# Altium PCB master.PcbDoc (part 2 of 5)
Units mm, origin at the board's own origin, x right, y up, seen from the top; angles counter-clockwise.
Board outline 160 x 120 mm, 4 copper layers (Top Copper, Signal Layer 1, Signal Layer 2, Bot Copper), stack 1.56 mm thick; 330 components, 331 nets, 1402 pads, 711 vias.
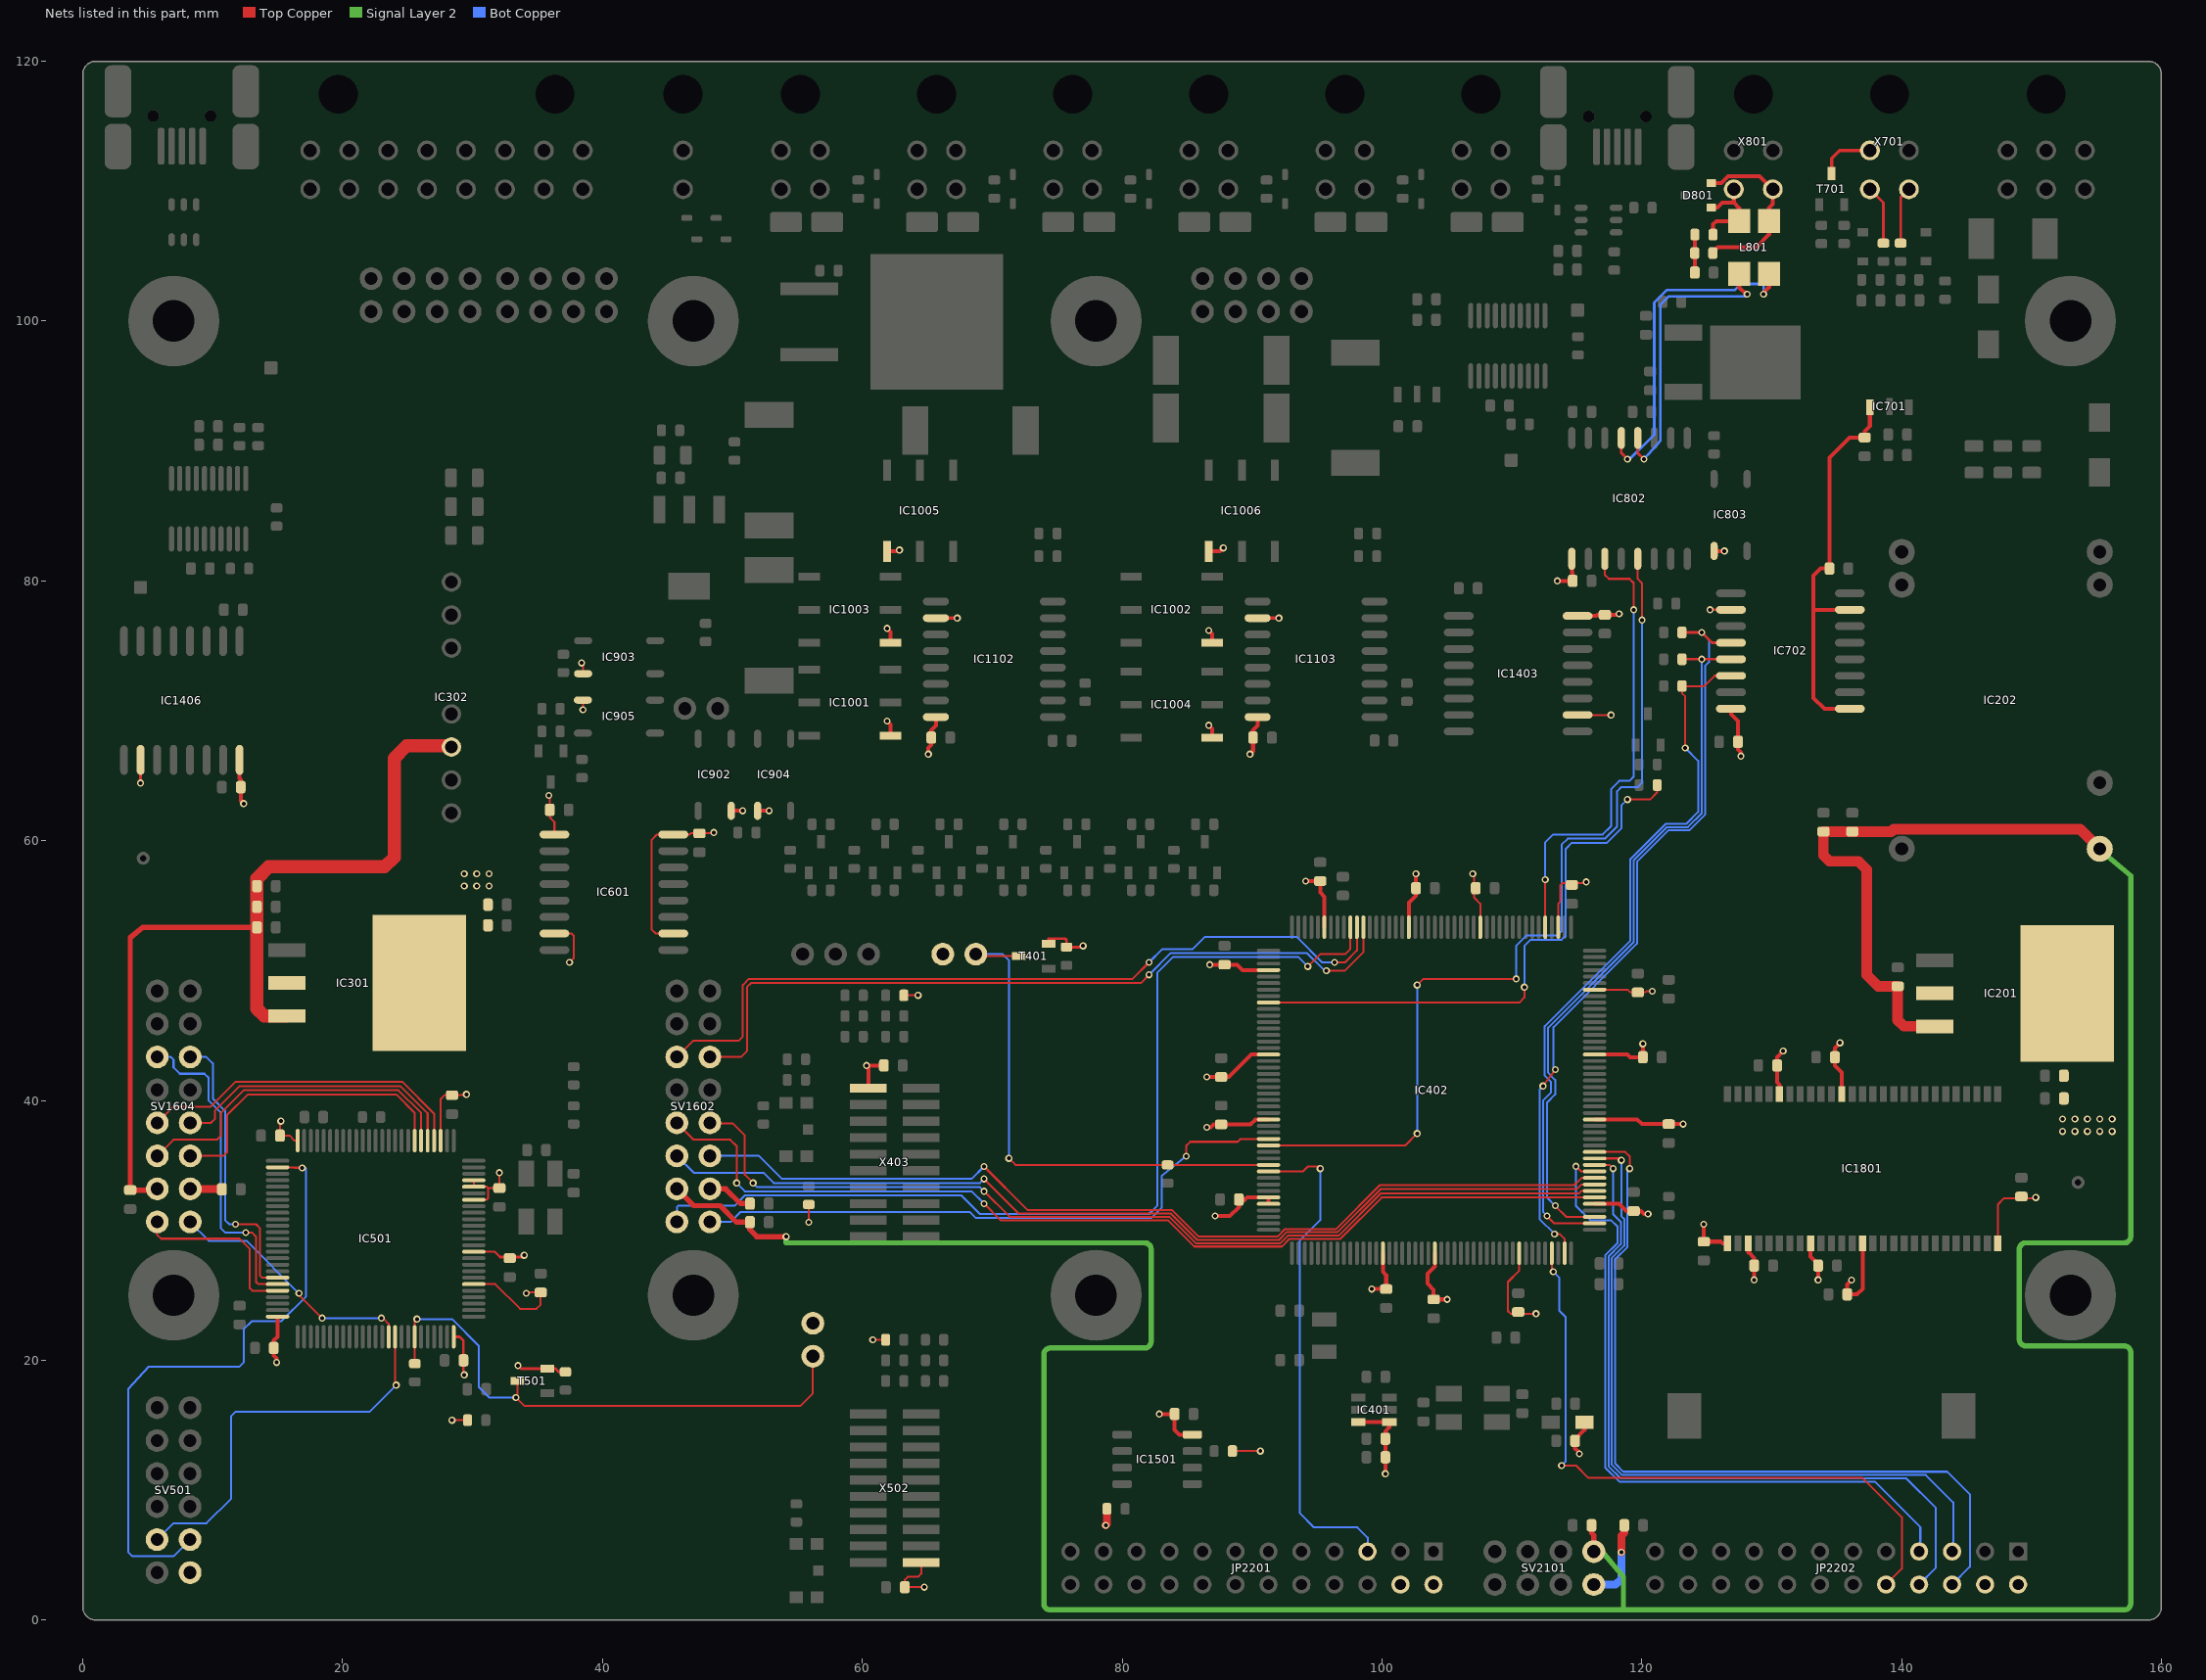
[diagram p4: the nets of this part, all layers, seen from the top]

## Part data
BATT: library part Batt_Holder_SMTU_1225-1-LF, "SMTU 1225-1-LF, Battery Holder 1225", Manufacturer=Renata, Operating Temperature="- / -40°C - +100°C", Supplier Part Number 1=1216353, Automotive Qualified=False, ComponentLink1Description=Datasheet, ComponentLink1URL=http://www.farnell.com/datasheets/1766152.pdf, Part Number=Batt_Holder_SMTU_1225-1-LF, Supplier 1=Farnell
C201 C203 C204 C302 C303 C304 C901: library part gen_C_ceramic_2u2_50V_X7R_0805, "MLCC", Capacitance=2u2, Case EIA=0805, Case Metric=2012, Dielectric=X7R, Rated Voltage=50V, Supplier Part Number 1=2547054, Automotive Qualified=False, Part Number=gen_C_ceramic_2u2_50V_X7R_0805, Supplier 1=Farnell
C202 C206 C208 C301 C306 C308 C401 C404 C405 C406 C407 C408 C409 C410 C411 C412 C413 C415 C416 C417 C418 C419 C420 C421 C422 C424 C425 C430 C502 C503 C504 C506 C507 C508 C509 C510 C513 C601 C602 C702 C703 C706 C707 C802 C803 C805 C806 C807 C902 C1102 C1103 C1104 C1105 C1106 C1107 C1402 C1403 C1404 C1405 C1407 C1408 C1409 C1410 C1501 C1601 C1602 C1603 C1604 C1801 C1802 C1803 C1804 C1805 C1806 C1807 C2101 C2102: library part gen_C_ceramic_100n_50V_X7R_0603, "MLCC", Capacitance=100n, Case EIA=0603, Case Metric=1608, Dielectric=X7R, PnP Package=C_0603_10, PnP Value=100n/50V/X7R, Rated Voltage=50V, Supplier Part Number 1=2525267, Automotive Qualified=False, Part Number=gen_C_ceramic_100n_50V_X7R_0603, PnP equipped=x, Supplier 1=Farnell, Supplier 2=Digikey, Supplier Part Number 2=490-6049-1-ND
C205 C207 C305 C307 C403 C423 C701 C801 C1101: library part gen_C_ceramic_1u_35V_X7R_0603, "MLCC", Capacitance=1u, Case EIA=0603, Case Metric=1608, Dielectric=X7R, PnP Package=C_0603_10, PnP Value=1uF/35V/X7R, Rated Voltage=35V, Supplier Part Number 1=1907508, Automotive Qualified=False, Part Number=gen_C_ceramic_1u_35V_X7R_0603, PnP equipped=x, Supplier 1=Farnell
C402 C414 C428 C429 C501 C505 C704 C705: library part gen_C_ceramic_18p_50V_C0G_0603, "MLCC", Capacitance=18p, Case EIA=0603, Case Metric=1608, Dielectric=C0G, Rated Voltage=50V, Supplier Part Number 1=2070403, Automotive Qualified=False, Part Number=gen_C_ceramic_18p_50V_C0G_0603, Supplier 1=Farnell
C426 C427 C511 C512: library part gen_C_ceramic_2u2_10V_X5R_0603, "MLCC", Capacitance=2u2, Case EIA=0603, Case Metric=1608, Dielectric=X5R, Rated Voltage=10V, Supplier Part Number 1=2320817, Automotive Qualified=False, AVT Set=x, Part Number=gen_C_ceramic_2u2_10V_X5R_0603, Supplier 1=Farnell
C804: library part gen_C_ceramic_4n7_50V_X7R_0603, "MLCC", Capacitance=4n7, Case EIA=0603, Case Metric=1608, Dielectric=X7R, PnP Package=C_0603_05, Rated Voltage=50V, Supplier Part Number 1=2904754, Automotive Qualified=True, Part Number=gen_C_ceramic_4n7_50V_X7R_0603, Supplier 1=Farnell
C1401 C1406: library part gen_C_ceramic_4u7_25V_X5R_0603, "MLCC", Capacitance=4u7, Case EIA=0603, Case Metric=1608, Dielectric=X5R, Rated Voltage=25V, Supplier Part Number 1=2672159, Automotive Qualified=False, AVT Set=x, Part Number=gen_C_ceramic_4u7_25V_X5R_0603, Supplier 1=Farnell
D201: "Schottky Diode", Continuous Forward Current=3A, Manufacturer="e.g. ST Microelectronics", Part Name="e.g. STPS3L60U", Supplier Part Number 1=9907769, Automotive Qualified=False, ComponentLink1Description=Datasheet, ComponentLink1URL=http://www.farnell.com/datasheets/1671123.pdf, Part Number=gen_d_schottky_3A_smb, Supplier 1=Farnell
D701 D702: library part CMP-1060-00697-1, "Zener Voltage Regulator, 300 mW, Tight Tolerance Portfolio, 2-Pin SOD-323, Pb-Free, Tape and Reel", Manufacturer="On Semiconductor", ComponentLink1Description="Manufacturer URL", ComponentLink1URL=http://www.onsemi.com/, ComponentLink2Description=Datasheet, ComponentLink2URL=http://www.onsemi.cn/pub_link/Collateral/MM3Z2V4ST1-D.PDF, ComponentLink3Description="Package Specification", ComponentLink3URL=http://www.onsemi.com/pub_link/Collateral/477-02.PDF.1, DatasheetVersion="Rev. 21", Mounting Technology="Surface Mount", PackageDescription="2-Pin SOD, Body 1.7 x 1.25 mm", PackageReference=SOD-323-2-477-02, PackageVersion="Rev. H, 03/2007", Packing="Tape and Reel", PartNumber=MM3Z4V7ST1G, P Max (W)=0.3, RoHS=Pb-Free
D801: library part CMP-2000-04916-1, "CAN Bus ESD Protection Diode, 200 W, 24 V, -65 to 150 degC, 3-Pin SOT23, RoHS, Tape and Reel", Breakdown Voltage=27.8V, Breakdown Voltage Max=30.3V, Breakdown Voltage Min=25.4V, Breakdown Voltage Range=25.4Vto30.3V, Capacitance Cd @ Vr Max=17pF, Capacitance Cd @ Vr Typ=11pF, Clamping Voltage @ 8/20µs Max=70V, Diode Case Style=SOT-23, Manufacturer="NXP Semiconductors", Operating Temperature Max=150degC, Operating Temperature Min=-65degC, Operating Temperature Range=-65degCto+150degC, Peak Pulse Current Ippm=3A, Peak Pulse Power=200W, Reverse Stand-Off Voltage Vrwm=24V, Breakover Voltage Min=25.4V, Clamping Voltage Vc Max=70V, Datasheet URL=https://datasheet.ciiva.com/22692/109497-22692467.pdf, Datasheet Version="Rev. 04, 02/2008", Diode Configuration=Bidirectional, Diode Type=BidirectionalTVS, Manufacturer URL=http://www.nxp.com/, No. of Pins=3, Package / Case=SOT-23, SMD Marking=AN, Stand-off Voltage=24V, SVHC=NoSVHC(20-Jun-2013), Termination Type=SMD, TVS Polarity=Bidirectional
D901 D902: "Zener Diode", Breakdown Voltage=12V, Manufacturer="ON Semiconductor", PnP Package=SOD323, Supplier Part Number 1=1431191, Automotive Qualified=True, ComponentLink1Description=Datasheet, ComponentLink1URL=http://www.farnell.com/datasheets/1876691.pdf, Part Name=MM3Z12VT1G, Part Number=MM3Z12VT1G, Supplier 1=Farnell, Supplier 2=Digikey, Supplier 3=Mouser, Supplier Part Number 2=MM3Z12VT1GOSCT-ND, Supplier Part Number 3=863-MM3Z12VT1G
D1001 D1002 D1003 D1004 D1005 D1006: "Standard Recovery Diode, 100 V, 1 A, Single, 1 V, 2 µs, 30 A", Breakdown Voltage=100V, Continuous Forward Current=1A, Manufacturer="ON Semiconductor", Operating Temperature="-65°C - +175°C", Part Name=GF1B, Supplier Part Number 1=1467477, Automotive Qualified=False, ComponentLink1Description=Datasheet, ComponentLink1URL=http://www.farnell.com/datasheets/2303965.pdf, Part Number=d_si_sma_1A, Supplier 1=Farnell
D1101 D1102 D1103 D1104 D1105 D1106: "TVS Diode, CDSOD323 Series, Unidirectional, 5 V, 18.3 V, SOD-323, 2 Pins", Breakdown Voltage=6V, Manufacturer=Bourns, Operating Temperature="-55°C - +150°C", Supplier Part Number 1=2341914, Automotive Qualified=False, ComponentLink1Description=Datasheet, ComponentLink1URL=http://www.farnell.com/datasheets/1845299.pdf, Part Name=CDSOD323-T05, Part Number=CDSOD323-T05, Supplier 1=Farnell
Designator15 Designator16 Designator17: library part Hole_3.2_Iso
Designator181: library part Layer_Marker_4_Layers
F201: "Littlefuse NANO SLO-BLO Fuse 2A 8.20A²s 0452002.MRL", Manufacturer=Littlefuse, Operating Temperature="-55°C - +125°C", Supplier Part Number 1=2383284, Automotive Qualified=False, ComponentLink1Description=Datasheet, ComponentLink1URL=http://www.farnell.com/datasheets/2108446.pdf, Part Number=fuse_2A_0452002.MRL, Supplier 1=Farnell
F1001 F1002 F1003 F1004 F1005 F1006: "Schurter SMD Fuse 4.0A UMT 3403.0172.11", Manufacturer=Schurter, Operating Temperature="-55°C - +125°C", Supplier Part Number 1=486-1253-ND, Automotive Qualified=False, ComponentLink1Description="Catalog Page Digikey", ComponentLink1URL=http://dkc3.digikey.com/PDF/DE2011-DE/P2352.pdf, Part Number=fuse_4A_3403.0172.11, Supplier 1=Digikey, Supplier 2=Mouser, Supplier Part Number 2=693-3403.0172.11
IC201 IC301: library part CMP-0062-00578-5, "3A Low Dropout Positive Regulators, 3-pin TO-263, Pb-Free", Manufacturer="Texas Instruments", PackageTopMarking=NSUZXYTTE#*LM1085*IS-3.3, PowerWise=N, Code_JEDEC=MO-169-AA, ComponentLink1Description="Datasheet URL", ComponentLink1URL=http://www.ti.com/general/docs/lit/getliterature.tsp?genericPartNumber=LM1085&fileType=pdf, CompType="LDO IC", High-Reliability=Y, PackageDescription="TO-263, Molded, .400 x .390 x .180in, 3 Lead, .1in Pitch, Surface Mount", PackageReference=KTT0003B, PartNumber=LM1085IS-3.3/NOPB, PinCount=3, RoHS=Y
IC202: "Murata Isolated 6W 4:1 Input Single Output DC/DC Converter", Manufacturer="Murata Power Solutions Inc.", Operating Temperature="-40°C - +85°C", Supplier Part Number 1=811-2109-5-ND, Automotive Qualified=False, ComponentLink1Description=Datasheet, ComponentLink1URL=https://power.murata.com/data/power/ncl/kdc_ncs6.pdf, ComponentLink2Description="3D PDF", ComponentLink2URL=https://power.murata.com/3d/dcdc/mps_dcdc_ncs6s_a.pdf, Part Number=NCS6S1205C, Supplier 1=Digikey
IC302: library part Recom_RS-2405SZ/H3, "Isolating DC/DC Converter", Manufacturer=Recom, Supplier Part Number 1=945-1552-5-ND, Automotive Qualified=False, ComponentLink1Description=Datasheet, ComponentLink1URL=https://www.recom-power.com/pdf/Econoline/RS-S_D_Z.pdf, Part Number=Recom_RS-2405SZ/H3, Supplier 1=Digikey, Supplier 2=Farnell, Supplier 3=Mouser, Supplier Part Number 2=1893731, Supplier Part Number 3=919-RS-2405SZ/H3
IC401: library part CMP-0784-00366-1, "Micropower, High Accuracy Voltage Reference, 2.5 V Output, 2.7 to 5.5 V Supply, Industrial, 6-pin SOT23 (RJ-6), Reel", Manufacturer="Analog Devices", Operating Temp Range="-40 to 125 degC", Code_JEDEC=MO-178-AB, ComponentLink1Description="Manufacturer URL", ComponentLink1URL=http://www.analog.com/en/index.html, ComponentLink2Description=Datasheet, ComponentLink2URL=http://www.analog.com/static/imported-files/data_sheets/ADR3412_ADR3420_ADR3425_ADR3430_ADR3433_ADR3440_ADR3450.pdf, ComponentLink3Description="Package Specification", ComponentLink3URL=http://www.analog.com/static/imported-files/packages/PKG_PDF/SOT-23(RJ)/RJ_6.pdf, ComponentLink4Description="URL Link1", ComponentLink4URL="Product URL:http://www.analog.com/en/special-linear-functions/voltage-references/adr3425/products/product.html", DatasheetVersion="Rev. B", Max V Supply (V)=5.5, Min V Supply (V)=2.7, Mounting Technology="Surface Mount", PackageDescription="6-Pin Small Outline Transistor Package, Body 2.9 x 1.6 mm, Pitch 0.95 mm", PackageReference=RJ-6, PackageVersion="121608-A, 12/2008", Packing=Reel, PartNumber=ADR3425ARJZ-R2, Ref Out TC (ppm/C)=2.5, Vout=2.5V
IC402: library part CMP-0243-00078-2, "ARM Cortex-M4 32-bit MCU+FPU, 225 DMIPS, 2048 kB Flash, 256 kB Internal RAM, 140 I/Os, 176-pin LQFP, -40 to 85 degC, Tray", I/Os (High Current)=140, Manufacturer=STMicroelectronics, Operating Frequency(F) (Processor speed) (MHz)=180, Supply Voltage(Vcc) max (V)=3.6, Supply Voltage(Vcc) min (V)=1.8, ComponentLink1Description="Manufacturer URL", ComponentLink1URL=http://www.st.com/web/en/home.html, ComponentLink2Description=Datasheet, ComponentLink2URL=http://www.st.com/st-web-ui/static/active/en/resource/technical/document/data_brief/DM00053488.pdf, ComponentLink3Description="Package Specification", ComponentLink3URL=http://www.st.com/st-web-ui/static/active/en/resource/technical/document/datasheet/DM00035129.pdf, Core="ARM Cortex-M4", D/A Converter=2x12-bit, DatasheetVersion="Rev. 2", FLASH Size (Prog) (kB)=2048, Internal RAM Size (kB)=256, Mounting Technology="Surface Mount", PackageDescription="176-Pin Low Profile Quad Flat Package, 24 x 24 mm Body, 0.5 mm Pitch", PackageReference=LQFP176, PackageVersion="Rev. 4, 06/2013", Packing=Tray, PartNumber=STM32F429IIT6
IC501: library part CMP-0243-00030-2, "ARM Cortex-M4 32-bit MCU+FPU, 225 DMIPS, 2048 kB Flash, 256 kB Internal RAM, 82 I/Os, 100-pin LQFP, -40 to 85 degC, Tray", I/Os (High Current)=82, Manufacturer=STMicroelectronics, Operating Frequency(F) (Processor speed) (MHz)=180, Supply Voltage(Vcc) max (V)=3.6, Supply Voltage(Vcc) min (V)=1.8, ComponentLink1Description="Manufacturer URL", ComponentLink1URL=http://www.st.com/web/en/home.html, ComponentLink2Description=Datasheet, ComponentLink2URL=http://www.st.com/st-web-ui/static/active/en/resource/technical/document/data_brief/DM00053488.pdf, ComponentLink3Description="Package Specification", ComponentLink3URL=http://www.st.com/st-web-ui/static/active/en/resource/technical/document/data_brief/DM00071938.pdf, Core="ARM Cortex-M4", D/A Converter=2x12-bit, DatasheetVersion="Rev. 2", FLASH Size (Prog) (kB)=2048, Internal RAM Size (kB)=256, Mounting Technology="Surface Mount", PackageDescription="100-Pin Low Profile Quad Flat Package, 14 x 14 mm Body, 0.5 mm Pitch", PackageReference=LQFP100, PackageVersion="Rev. 1, 06/2013", Packing=Tray, PartNumber=STM32F429VIT6
IC601 IC1403 IC1406: library part CMP-0534-00405-1, "Quad Channel Digital Isolator, Enhanced System-Level ESD Reliability, 2.5 KV rms Insulation Rating, 90 Mbps Data Rate, 32 ns Delay, Industrial, 16-pin SOIC (RW-16), Tube", Insulation Rating (kVrms)=2.5, Manufacturer="Analog Devices", Max Operating Temp (degreesC)=105, Code_JEDEC=MS-013-AA, ComponentLink1Description="Manufacturer URL", ComponentLink1URL=http://www.analog.com/en/index.html, ComponentLink2Description=Datasheet, ComponentLink2URL=http://www.analog.com/static/imported-files/data_sheets/ADUM3400_3401_3402.pdf, ComponentLink3Description="Package Specification", ComponentLink3URL=http://www.analog.com/static/imported-files/packages/PKG_PDF/SOIC_WIDE%20%28RW%29/RW_16.pdf, ComponentLink4Description="URL Link1", ComponentLink4URL="Product URL:http://www.analog.com/en/interface-isolation/digital-isolators/adum3401/products/product.html", DatasheetVersion="Rev. B", Max Data Rate=90Mbps, Mounting Technology="Surface Mount", PackageDescription="16-Pin Standard Small Outline Package, Body 10.3 x 7.5 mm, Pitch 1.27 mm", PackageReference=RW-16, PackageVersion="032707-B, 03/2007", PartNumber=ADUM3401CRWZ
IC701 IC1101: library part CMP-2000-07341-1, "Positive-Voltage Regulator, 100 mA, 0 to 125 degC, 3-Pin SOT-89 (PK), Green (RoHS & no Sb/Br), Tape and Reel", Input Voltage MAX=20V, Input Voltage MIN=7V, Manufacturer=TexasInstruments, Maximum Operating Temperature=+125C, Minimum Operating Temperature=0C, Output Current=100mA, Output Voltage=5V, Package / Case=SOT-89-4, Package Description="3-Pin Small Outline Transistor, Body 4.5 x 2.5 mm, Pitch 1.5 mm", Package Reference=PK0003A, Brand=TexasInstruments, Datasheet URL=http://www.ti.com/lit/ds/symlink/ua78l05.pdf, Datasheet Version="Rev. U, 05/2011", Line Regulation=200mV, Load Regulation=60mV, Manufacturer URL=http://www.ti.com/, Mounting Style=SMD/SMT, Mounting Technology=SurfaceMount, Number of Outputs=1, Output Type=Fixed, Package URL=http://www.ti.com/lit/ml/mhsi001b/mhsi001b.pdf, Packaging=Reel, Polarity=Positive, Product Category=LinearVoltageRegulators, PSRR / Ripple Rejection - Typ=49dB, RoHS=True, Series=UA78L05
IC702: library part CMP-0534-00610-1, "Triple Channel Digital Isolator, Enhanced System-Level ESD Reliability, 2.5 KV rms Insulation Rating, 90 Mbps Data Rate, 32 ns Delay, Industrial, 16-pin SOIC (RW-16), Tube", Insulation Rating (kVrms)=2.5, Manufacturer="Analog Devices", Max Operating Temp (degreesC)=105, Code_JEDEC=MS-013-AA, ComponentLink1Description="Manufacturer URL", ComponentLink1URL=http://www.analog.com/en/index.html, ComponentLink2Description=Datasheet, ComponentLink2URL=http://www.analog.com/static/imported-files/data_sheets/ADUM3300_3301.pdf, ComponentLink3Description="Package Specification", ComponentLink3URL=http://www.analog.com/static/imported-files/packages/PKG_PDF/SOIC_WIDE%20%28RW%29/RW_16.pdf, ComponentLink4Description="URL Link1", ComponentLink4URL="Product URL:http://www.analog.com/en/interface-isolation/digital-isolators/adum3301/products/product.html", DatasheetVersion="Rev. B", Max Data Rate=90Mbps, Mounting Technology="Surface Mount", PackageDescription="16-Pin Standard Small Outline Package, Body 10.3 x 7.5 mm, Pitch 1.27 mm", PackageReference=RW-16, PackageVersion="032707-B, 03/2007", PartNumber=ADUM3301CRWZ
IC801: library part KA7805ERTF, "3-Terminal 1 A Positive Voltage Regulator", Manufacturer=Fairchild, Operating Temperature="-40°C - +125°C", Supplier Part Number 1=2102585, Automotive Qualified=False, ComponentLink1Description=Datasheet, ComponentLink1URL=http://www.farnell.com/datasheets/2299720.pdf, Part Name=KA7805ERTF, Part Number=KA7805ERTF, Supplier 1=Farnell
IC802: library part CMP-2000-07246-1, "Galvanically Isolated High-Speed CAN Transceiver, -40 to 125 degC, 16-Pin SOIC, RoHS, Tape and Reel", Manufacturer=NXPSemiconductors, Maximum Single Supply Voltage=5.25V, Minimum Single Supply Voltage=3, Package=16SOIC, Package Description="16-Pin Small Outline Integrated Circuit, Body 10.3 x 7.5 mm, Pitch 1.27 mm", Package Reference=SOT162-1, Power Down Mode=Standby, Category=Transceiver, Datasheet URL=http://www.nxp.com/documents/data_sheet/TJA1052I.pdf, Datasheet Version="Rev. 3, 01/2015", Manufacturer URL=http://www.nxp.com/, Maximum Data Rate=1Mbps, Mounting Technology=SurfaceMount, Number of Transceivers=1, Packaging=Tape&Reel, Rad Hard=No, Standard Supported=ISO11898-2
IC803 IC902 IC903 IC904 IC905: "Single-Pole, Normally Open 4-Pin SOP OptoMOS Relay", Manufacturer=CLARE, Operating Temperature="-40°C - +85°C", Supplier Part Number 1=1653755, Automotive Qualified=False, ComponentLink1Description=Datasheet, ComponentLink1URL=http://www.farnell.com/datasheets/1924621.pdf, Part Name=CPC1008N, Part Number=CPC1008N, Supplier 1=Farnell
IC901: "500mA Adjustable Output, Positive Voltage Regulator", Manufacturer="ON Semiconductor", Operating Temperature="-40°C - +125°C", Supplier Part Number 1=NCV317MBSTT3GOSCT-ND, Automotive Qualified=True, ComponentLink1Description=Datasheet, ComponentLink1URL=http://www.farnell.com/datasheets/2353745.pdf, Part Name=NCV317MBSTT3G, Part Number=NCV317MBSTT3G, Supplier 1=Digikey, Supplier 2=Mouser, Supplier Part Number 2=863-NCV317MBSTT3G
IC1001 IC1002 IC1003 IC1004 IC1005 IC1006: "PhotoMOS Relay", Manufacturer=Panasonic, Operating Temperature="-40°C - +85°C", Supplier Part Number 1=255-3594-1-ND, Automotive Qualified=False, Part Name=AQV252G2SX, Part Number=AQV252G2SX, Supplier 1=Digikey, Supplier 2=Farnell, Supplier Part Number 2=2302216
IC1102 IC1103: library part CMP-0534-00476-1, "Triple Channel Digital Isolator, Enhanced System-Level ESD Reliability, 2.5 KV rms Insulation Rating, 90 Mbps Data Rate, 32 ns Delay, Industrial, 16-pin SOIC (RW-16), Tube", Insulation Rating (kVrms)=2.5, Manufacturer="Analog Devices", Max Operating Temp (degreesC)=105, Code_JEDEC=MS-013-AA, ComponentLink1Description="Manufacturer URL", ComponentLink1URL=http://www.analog.com/en/index.html, ComponentLink2Description=Datasheet, ComponentLink2URL=http://www.analog.com/static/imported-files/data_sheets/ADUM3300_3301.pdf, ComponentLink3Description="Package Specification", ComponentLink3URL=http://www.analog.com/static/imported-files/packages/PKG_PDF/SOIC_WIDE%20%28RW%29/RW_16.pdf, ComponentLink4Description="URL Link1", ComponentLink4URL="Product URL:http://www.analog.com/en/interface-isolation/digital-isolators/adum3300/products/product.html", DatasheetVersion="Rev. B", Max Data Rate=90Mbps, Mounting Technology="Surface Mount", PackageDescription="16-Pin Standard Small Outline Package, Body 10.3 x 7.5 mm, Pitch 1.27 mm", PackageReference=RW-16, PackageVersion="032707-B, 03/2007", PartNumber=ADUM3300CRWZ
IC1401 IC1404: library part "nxp_IP4220CZ6,125 / IP4220CZ6,125", "Usb ESD protection diodes", Manufacturer=Nexperia, Operating Temperature="-40°C - +85°C", Part Name=IP4220CZ6,125, PnP Package=SOT457, Supplier Part Number 1=1506629, Automotive Qualified=False, ComponentLink1Description=Datasheet, ComponentLink1URL=http://www.farnell.com/datasheets/1708221.pdf, Part Number="nxp_IP4220CZ6,125 / IP4220CZ6,125", Supplier 1=Farnell, Supplier 2=Digikey, Supplier 3=Mouser, Supplier Part Number 2=1727-3578-1-ND, Supplier Part Number 3=771-IP4220CZ6-T/R
IC1402 IC1405: library part CMP-0248-00024-2, "USB to Full-Handshake UART Interface Chip, UHCI/OHCI/EHCI Compatible, USB 2.0 Compatible, -40 to +85 degC, 20-Pin SSOP, Pb-Free, Tape and Reel", Manufacturer=FTDI, Code_JEDEC=MO-137-AD, ComponentLink1Description="Manufacturer URL", ComponentLink1URL=http://www.ftdichip.com/, ComponentLink2Description=Datasheet, ComponentLink2URL=http://www.ftdichip.com/Support/Documents/DataSheets/ICs/DS_FT231X.pdf, ComponentLink3Description="FT231X Product Page", ComponentLink3URL=www.ftdichip.com/Products/ICs/FT231X.html, DatasheetVersion="ver 1.2, Feb-2013", PackageDescription="20-Pin Small Outline Package, 8.6 x 3.9 mm Body, 0.635 mm Pitch", PackageReference=SSOP-20, PackageVersion=Feb-13, PartNumber=FT231XS-R, RevisionNote="DatasheetVersion updated to 1.2 Feb-2013"
IC1501: "2-Mbit serial SPI bus EEPROM", Manufacturer=StMicroelectronics, Operating Temperature="-40°C - +85°C", PnP Package=SOIC-8, Supplier Part Number 1=2849991, Automotive Qualified=False, ComponentLink1Description=Datasheet, ComponentLink1URL=http://www.st.com/resource/en/datasheet/m95m02-dr.pdf, Part Name=M95M02-DRMN6TP, Part Number=M95M02-DRMN6TP, Supplier 1=Farnell, Supplier 2=Digikey, Supplier Part Number 2=497-11405-1-ND
IC1801: "SDRAM, 4M x 16 Bit", Manufacturer="INTEGRATED SILICON SOLUTION (ISSI)", Operating Temperature="-40 / o / C to +85 / o / -40°C - +85°C", PnP Package="TSOP II", Supplier Part Number 1=2253831, Automotive Qualified=True, ComponentLink1Description=Datasheet, ComponentLink1URL=http://www.farnell.com/datasheets/1674895.pdf, Part Name=IS42S16400J-7TLI, Part Number=IS42S16400J-7TLI, Supplier 1=Farnell
JP2201 JP2202: library part CMP-1023-00145-1, "Low Profile Socket Strips, Through-hole, Vertical, -55 to 105 degC, 2.54 mm Pitch, 24-Pin, Female, RoHS", Manufacturer=Samtec, Temperature Range="-55 to 105 degC", ComponentLink1Description="Manufacturer URL", ComponentLink1URL=http://www.samtec.com, ComponentLink2Description=Datasheet, ComponentLink2URL=http://www.samtec.com/documents/webfiles/pdf/SLW.PDF, ComponentLink3Description="Package Specification", ComponentLink3URL=http://www.samtec.com/documents/webfiles/cpdf/SLW-1XX-01-X-X-MKT.pdf, DatasheetVersion=F-214, Mounting Technology=Through-hole, Orientation=Vertical, PackageDescription="Low Profile Socket Strip", PackageReference=SLW-112-01-X-D, PackageVersion="X, 9/1987", PartNumber=SLW-112-01-T-D, Pitch="2.54 mm", RoHS=True
L401: library part CMP-0686-00649-2, "Chip Ferrite Bead for General Signal lines, 470 Ohm, 700 mA, -55 to 125 degC, 2 x 1.25 x 1.05 mm SMD, Tape and Reel", DC Resistance="0.19 Ohm Max.", Manufacturer=Murata, Operating Temperature Range="-55 to 125 degC", Rated Current="700 mA", ComponentLink1Description="Manufacturer URL", ComponentLink1URL=http://www.murata.com/, ComponentLink2Description=Datasheet, ComponentLink2URL=http://www.murata.com/products/catalog/pdf/c31e.pdf, ComponentLink3Description="Package Specification", ComponentLink3URL=http://www.murata.com/products/catalog/pdf/c31e.pdf, DatasheetVersion=08/2013, Impedance (at 100 MHz)="470 Ohm +/- 25%", Mounting Technology="Surface Mount", PackageDescription="2-Pin Chip, Body 2 x 1.25 mm", PackageReference=BLM21_H1050-2, Packing="Tape and Reel", PartNumber=BLM21AG471SN1J
L801: library part B82789N, "Common Mode Choke", Manufacturer="EPCOS / TDK", Operating Temperature="-55°C - +150°C", Rated Current=250mA, Supplier Part Number 1=871-B82789C0513H002, Automotive Qualified=False, ComponentLink1Description=Datasheet, ComponentLink1URL=https://www.mouser.com/ds/2/400/b82789c0_s0-1220172.pdf, Inductance=51uH, Part Number=B82789N, Supplier 1=Mouser
LED201 LED301: library part gen_LED_0603_orange, "LED", Breakdown Voltage=5V, Continuous Forward Current=20mA, Forward Voltage @ 20mA=2.2V, PnP Package=LED_0603, Supplier Part Number 1=2099222, Automotive Qualified=False, Color=orange, Part Number=gen_LED_0603_orange, Supplier 1=Farnell
LED401 LED501: library part gen_LED_0603_red, "LED", Breakdown Voltage=5V, Continuous Forward Current=20mA, Forward Voltage @ 20mA=2V, PnP Package=LED_0603, Supplier Part Number 1=2099221, Automotive Qualified=False, Color=red, Part Number=gen_LED_0603_red, Supplier 1=Farnell
LED402 LED502: library part gen_LED_0603_green, "LED", Breakdown Voltage=5V, Continuous Forward Current=20mA, Forward Voltage @ 20mA=2.2V, PnP Package=LED_0603, Supplier Part Number 1=2099223, Automotive Qualified=False, Color=green, Part Number=gen_LED_0603_green, Supplier 1=Farnell
Q401 Q501: library part CMP-1774-00004-1, "SMD Seam Sealing Crystal, 8 MHz, +/- 30 ppm, 18 pF, -10 to 70 degC, 4-Pin SMD, RoHS, Tape and Reel", Case\Package=0603, Case Code (Metric)=1608, Max Operating Temperature="155 degC", Min Operating Temperature="-55 degC", Package Quantity=5000, Power Rating="100 mW", Resistance="150 Ohm", Tolerance=1%, Voltage Rating="50 V", Case Code (Imperial)=0603, ComponentLink1Description=Datasheet, ComponentLink1URL=http://www.txccorp.com/download/products/quartz_crystals/2015TXC_7B_19.pdf, DatasheetVersion=Jul-15, Height="0.45 mm", Length="1.6 mm", Mount="Surface Mount", PackageDescription="4-Pin Surface Mount Device, Body 5 x 3.2 mm, Pitch 3.7 mm", PackageReference=7B-4, Packaging="Tape and Reel", Pins=2, REACH SVHC="No SVHC", RoHSCompliant=true, Voltage Rating (DC)="50 V", Width="0.8 mm"
Q402: library part CMP-0447-00001-2, "Crystal, 32.768 kHz, 12.5 pF, -40 to 85 degC, SMD Low Profile 3.2 x 1.5 x 0.9 mm, Tape and Reel", Equivalent Series Resistance (R1)="70 Kohm", Frequency="32.768 kHz", Frequency Tolerance @+25degC="+/- 20 ppm", Insulation Resistance (Min)="500 Mohm", Load Capacitance (CL)="12.5 pF", Manufacturer=Abracon, Operating Temperature="-40 to 85 degC", Q Value (Type)=30000, Shunt Capacitance (C0)="0.9 to 1.2 pF", ComponentLink1Description="Manufacturer URL", ComponentLink1URL=http://www.abracon.com/, ComponentLink2Description=Datasheet, ComponentLink2URL=http://www.abracon.com/Resonators/ABS07.pdf, ComponentLink3Description="Package Specification", ComponentLink3URL=http://www.abracon.com/Resonators/ABS07.pdf, DatasheetVersion=04.03.13, Drive Level (Type)="0.1 uW", Mounting Technology="Surface Mount", Operation Mode="Flexural Mode (Tuning Fork)", PackageDescription="2-Pin Hand Drawn, Body 3.2x1.5mm, Pitch 2.5mm", PackageReference=ABS07-2, Packing="Tape and Reel", PartNumber=ABS07-32.768KHz-T
R201 R301 R408 R409 R508 R509: library part gen_R_130R_0603, "SMD Resistor 130R 0603", Case EIA=0603, Case Metric=1608, Maximum Working Voltage=75V, Operating Temperature="-55°C - +155°C", PnP Package=R_0603, Power=0.1W, Supplier Part Number 1=2379959, Tolerance=1%, Automotive Qualified=False, Part Number=gen_R_130R_0603, PnP Value=130R, Resistance=130R, Series="E24, E96", Supplier 1=Farnell
R401 R402 R405 R407 R502 R504 R505 R507 R707 R708 R709 R710 R803 R805 R903 R904 R908 R911 R1003 R1004 R1009 R1010 R1015 R1016 R1107 R1108 R1109 R1110 R1111 R1112 R1501 R1502: library part gen_R_10k_0603, "SMD Resistor 10k 0603", Case EIA=0603, Case Metric=1608, Maximum Working Voltage=75V, Operating Temperature="-55°C - +155°C", PnP Package=R_0603, Power=0.1W, Supplier Part Number 1=2073349, Tolerance=1%, Automotive Qualified=False, Part Number=gen_R_10k_0603, PnP Value=10k, Resistance=10k, Series="E24, E96", Supplier 1=Farnell
R403 R406 R501 R506 R705 R1403 R1404 R1407 R1408: library part gen_R_0R_0603, "SMD Resistor 0R 0603", Case EIA=0603, Case Metric=1608, Maximum Working Voltage=75V, Operating Temperature="-55°C - +155°C", PnP Package=R_0603, Power=0.1W, Supplier Part Number 1=2073345, Automotive Qualified=False, Part Number=gen_R_0R_0603, PnP Value=0R, Resistance=0R, Series=Jumper, Supplier 1=Farnell
R404 R503 R703 R704: library part gen_R_680R_0603, "SMD Resistor 680R 0603", Case EIA=0603, Case Metric=1608, Maximum Working Voltage=75V, Operating Temperature="-55°C - +155°C", PnP Package=R_0603, Power=0.1W, Supplier Part Number 1=2797303, Tolerance=1%, Automotive Qualified=False, Part Number=gen_R_680R_0603, PnP Value=680R, Resistance=680R, Series=E24, Supplier 1=Farnell